# Altium PCB PCB1.PcbDoc (part 3 of 6)
Units mm, origin at the board's own origin, x right, y up, seen from the top; angles counter-clockwise.
Board outline 152.4 x 101.6 mm, 8 copper layers (L1-CU, GND, L3-CU-PWR, L4-CU, L5-CU-GND, L6-CU, L7-CU-GND, L8-CU), stack 1.524 mm thick; 274 components, 255 nets, 1291 pads, 685 vias.
Unrouted connection lines stored in the file: 236.
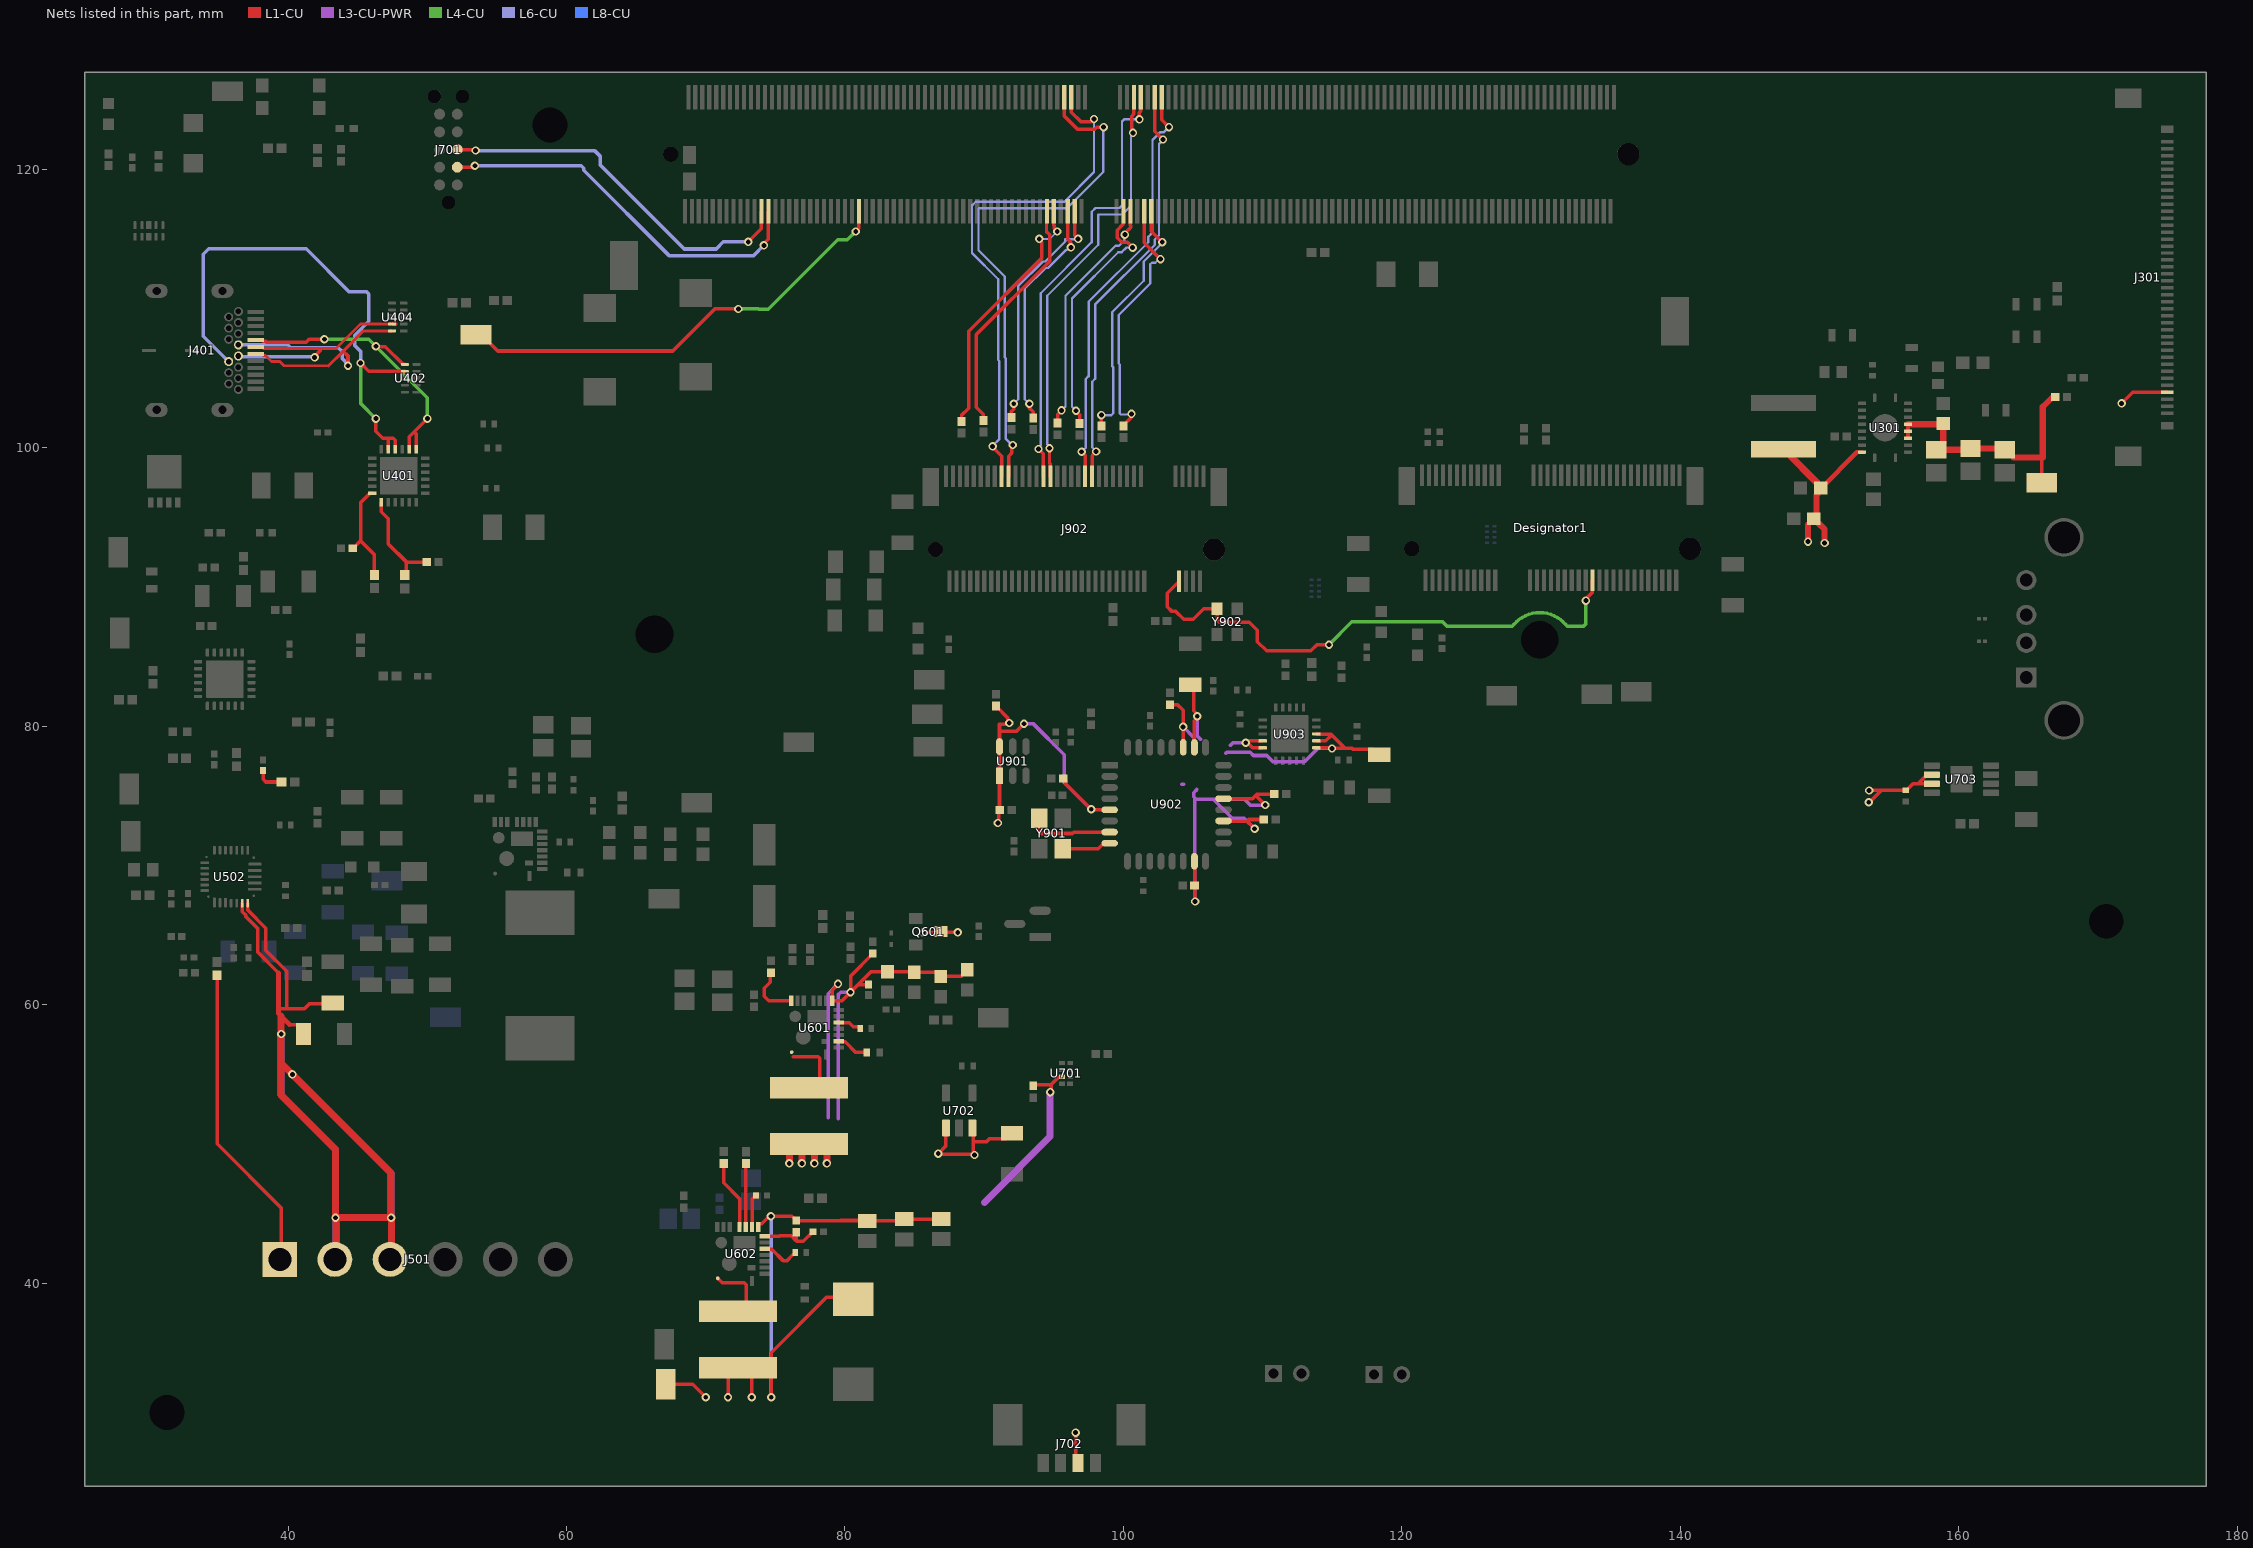
[diagram p9: the nets of this part, all layers, seen from the top]

## Via types
v1: diameter 0.6, hole 0.35, L1-CU to L8-CU, 685 vias

## Nets (pads, with @x,y where several pads share a name; then routed paths per layer and width w, separated by ;. In a path a pad name is that pad's centre, name@x,y a point inside that pad or via, vN(x,y) a via of type N, cw(c..) or ccw(c..) an arc to the next point about the centre after c; other vN are vias at no path point) (continued)
5V_OUT: C301.1 C302.1 C616.1 C618.1 C619.1 C621.1 C707.2 C708.1 C710.1 C901.1 C902.1 C903.1 C905.1 C906.1 C908.1 C909.1 C910.1 C920.1 J702.2 L301.1 L601.2 Q601.3 R609.2 R613.1 U301.9 U601.18 U701.7 U702.1 U702.3 U703.2 U703.3 U901.1 U901.6 U902.5 U902.15 U902.19 U902.21 U902.26 U902.27 U903.4 U903.5 U903.11 U903.12 U903.13 | length 178.6
  L1-CU w0.254: L601.2@76,49.348 76.648,49.996 L601.2@77.412,49.996 ; L601.2@76.9,49.484 L601.2@77.412,49.996 ; L601.2@77.8,49.608 L601.2@77.412,49.996 ; L601.2@78.7,49.348 78.052,49.996 L601.2@77.412,49.996 ; v1(79.5,61.5) 79.5,61.442 79.088,61.029 U601.18@79.088,60.286 79.786,60.286 v1(80.4,60.9) ; R609.2@81.7,61.45 80.95,61.45 ; R613.1@82,63.675 82,63.65 80.4,62.05 v1(80.4,60.9) ; v1(85.6,65.2) 86.82,65.2 Q601.3@86.87,65.25 86.92,65.2 v1(88.1,65.2) ; U702.1@87.25,51.145 87.25,49.85 v1(86.7,49.3) 86.75,49.25 v1@89.25,49.25 ; C621.1@88.792,62.511 88.792,62.488 88.335,62.03 C619.1@86.88,62.03 86.569,62.341 C616.1@84.968,62.341 84.943,62.367 C618.1@83.056,62.367 81.867,62.367 80.95,61.45 ; U702.3@89.15,51.145 89.225,51.07 89.225,50.173 ; v1(89.3,49.2) v1@89.25,49.25 ; C910.1@90.856,81.458 90.856,81.436 91.708,80.584 91.708,80.326 v1(91.796,80.239) 91.708,80.151 91.114,80.151 91.1,80.137 91.1,79.629 ; v1(90.983,73.05) 91.049,73.117 91.049,74.034 91.1,74.085 U901.1@91.1,76.445 U901.6@91.1,78.546 91.1,79.629 ; C708.1@92,50.775 91.602,50.377 90.378,50.377 90.174,50.173 89.225,50.173 ; v1(92.862,80.188) 92.304,79.629 91.1,79.629 ; C707.2@93.548,54.254 94.799,54.254 94.829,54.285 ; v1(94.742,53.721) 94.829,53.808 94.829,54.285 ; U701.7@95.59,54.817 95.562,54.789 95.334,54.789 94.829,54.285 ; C903.1@95.687,76.236 95.709,76.236 95.868,76.077 95.868,75.832 95.897,75.832 v1(97.688,74.041) 97.709,74.02 98.988,74.02 U902.5@99.009,74 ; v1(96.571,29.261) 96.571,27.251 J702.2@96.739,27.083 ; C902.1@103.345,81.552 103.888,81.552 104.292,81.148 v1(104.292,79.959) 104.296,79.955 104.296,78.495 U902.27@104.3,78.491 ; C901.1@104.797,82.988 105.042,82.744 105.042,81.112 105.308,80.845 v1(105.308,80.721) 105.308,80.597 105.1,80.389 U902.26@105.1,78.491 ; U902.15@105.1,70.309 105.115,70.293 105.115,67.452 v1(105.156,67.412) ; U902.19@107.191,73.2 107.215,73.176 108.891,73.176 ; U902.21@107.191,74.8 109.271,74.8 109.437,74.967 ; v1(109.423,72.644) 108.891,73.176 ; U903.5@110.013,78.451 109.277,78.451 108.912,78.816 109.047,78.951 U903.4@110.013,78.951 ; C905.1@110.077,73.307 109.022,73.307 108.891,73.176 ; v1(110.185,74.346) 109.564,74.967 109.437,74.967 ; C906.1@110.846,75.133 109.604,75.133 109.437,74.967 ; U903.11@113.863,78.451 113.87,78.444 114.951,78.444 v1(114.986,78.41) 115.926,78.41 ; U903.12@113.863,78.951 114.537,78.951 114.96,79.375 ; U903.13@113.863,79.451 113.87,79.444 114.891,79.444 114.96,79.375 ; C920.1@118.381,77.95 117.983,78.348 116.483,78.348 116.421,78.41 115.926,78.41 ; C302.1@149.174,94.498 149.244,94.568 149.244,94.591 149.573,94.92 C302.1@149.596,94.92 C302.1@149.619,94.92 ; C302.1@149.784,95.084 C302.1@149.619,94.92 ; C302.1@149.948,94.568 149.948,94.591 C302.1@149.619,94.92 ; C301.1@150.094,97.115 C301.1@150.117,97.115 ; 152.693,99.691 153.054,99.691 U301.9@153.061,99.698 ; v1(153.543,74.549) 153.597,74.549 154.441,75.394 ; v1(153.568,75.387) 153.575,75.394 154.441,75.394 ; C710.1@156.2,75.4 156.194,75.394 154.441,75.394 ; C710.1@156.25,75.4 156.725,75.875 157.2,75.875 ; U703.3@158.075,75.875 157.2,75.875 ; U703.2@158.075,76.525 157.725,76.525 157.2,76 157.2,75.875 ; v1(80.4,60.9) 80.95,61.45 ; 89.225,50.173 89.225,49.275 v1@89.25,49.25 ; 114.96,79.375 115.926,78.41
  L1-CU w0.35: C301.1@150.117,97.115 152.693,99.691
  L1-CU w0.45: v1(149.174,93.269) C302.1@149.174,94.498 ; C302.1@149.784,95.084 149.784,96.62 149.84,96.676 149.84,96.883 150.071,97.115 C301.1@150.094,97.115 ; C302.1@149.948,94.568 150.368,94.148 v1(150.368,93.167)
  L1-CU w0.5: v1(76,48.6) L601.2@76,49.348 ; v1(76.9,48.6) L601.2@76.9,49.484 ; v1(77.8,48.6) L601.2@77.8,49.608 ; v1(78.7,48.6) L601.2@78.7,49.348 ; L301.1@147.416,99.916 150.094,97.238 C301.1@150.094,97.115
  L3-CU-PWR w0.254: 78.8,51.9 78.8,60.8 v1(79.5,61.5) ; 79.5,51.8 79.5,60.7 79.7,60.9 v1(80.4,60.9) ; v1(92.862,80.188) 92.883,80.167 93.543,80.167 95.758,77.953 95.758,75.942 v1@97.7,74 ; 104.191,75.844 104.343,75.844 ; v1(104.292,79.959) 105.105,79.146 105.105,78.486 ; v1(105.156,67.412) 105.131,67.437 105.131,74.854 ; 105.283,75.463 105.054,75.235 105.054,74.93 105.131,74.854 ; v1(105.308,80.721) 105.308,79.299 105.537,79.07 ; 107.366,78.08 107.417,78.13 108.179,78.13 109.118,78.13 109.347,77.902 110.287,77.902 110.744,77.445 113.005,77.445 113.97,78.41 v1(114.986,78.41) ; 107.683,78.626 107.874,78.816 v1(108.788,78.816) ; v1(109.423,72.644) 108.664,73.403 107.828,73.403 106.465,74.766 ; v1(110.185,74.346) 109.121,74.346 108.701,74.766 106.465,74.766 ; 105.131,74.854 105.219,74.766 106.465,74.766
  L3-CU-PWR w0.5: 90.018,45.796 94.742,50.521 v1(94.742,53.721)
5V_PHASE: C607.2 U601.24 | length 4
  L1-CU w0.254: C607.2@74.7,62.3 74.622,62.222 74.622,61.611 74.2,61.189 74.2,60.6 74.514,60.286 U601.24@76.138,60.286
5V_SW: L601.1 U601.5-6-7-8-9 | length 4.5
  L1-CU w0.254: 76.288,56.273 78.082,56.273 78.186,56.168 78.186,54.694 77.538,54.046 L601.1@77.412,54.046
5V_VDD: C606.1 U601.15 | length 1.6
  L1-CU w0.254: U601.15@79.55,58.723 79.573,58.7 80.3,58.7 80.587,58.413 ; 80.687,58.413 81.027,58.413 81.1,58.34 C606.1@81.1,58.3
5V_VDRV: C605.1 U601.12 | length 2.3
  L1-CU w0.254: U601.12@79.55,57.373 79.573,57.35 79.994,57.35 80.014,57.33 80.019,57.33 80.778,56.571 C605.1@81.555,56.571
6V0_EN: R611.2 U602.19 | length 2.4
  L1-CU w0.254: U602.19@73.325,44.037 73.325,46.025 R611.2@73.6,46.3
6V0_FB: R615.1 R616.2 U602.17 | length 4.5
  L1-CU w0.254: U602.17@74.237,43.375 75.288,43.375 75.324,43.41 76.139,43.41 76.483,43.067 ; R615.1@76.492,43.646 76.483,43.638 76.483,43.067 ; R616.2@77.7,43.7 77,43 76.55,43 76.483,43.067
6V0_MODE1: R605.2 U602.21 | length 5
  L1-CU w0.254: R605.2@71.3,48.6 71.3,47.2 72.425,46.075 U602.21@72.425,44.037
6V0_MODE2: R606.2 U602.20 | length 4.6
  L1-CU w0.254: U602.20@72.875,44.037 72.887,44.05 R606.2@72.887,48.587 R606.2@72.9,48.6
6V0_OUT: C625.1 C627.1 C629.1 Designator4.2 Designator5.2 J301.37 R615.2 TP602.1 U602.18 | length 49.7
  L1-CU w0.254: TP602.1@67.11,32.746 69.054,32.746 v1(70,31.8) ; v1(71.6,31.8) 71.6,33.273 72.248,33.921 Designator4.2@72.307,33.921 72.652,33.921 73.3,33.273 v1(73.3,31.8) ; U602.18@73.775,44.037 73.775,44.25 73.798,44.273 74.011,44.273 74.477,44.739 74.61,44.739 v1(74.676,44.806) 76.182,44.806 76.319,44.669 76.344,44.669 76.492,44.521 R615.2@76.492,44.496 76.494,44.498 79.698,44.498 79.7,44.5 81.578,44.5 C625.1@81.604,44.474 84.142,44.474 C627.1@84.258,44.59 86.894,44.59 C629.1@86.912,44.608 ; v1(74.7,31.8) 74.7,33.921 74.7,35 78.7,39 80.441,39 Designator5.2@80.554,38.887 ; v1(171.704,103.2) 172.504,104 J301.37@175,104
  L6-CU w0.254: v1(74.676,44.806) 74.7,44.782 v1(74.7,31.8)
6V0_SW: Designator4.1 U602.5-6-7-8-9 | length 4.4
  L1-CU w0.254: U602.5-6-7-8-9@70.856,40.344 71.175,40.025 72.769,40.025 72.918,39.876 72.918,38.582 Designator4.1@72.307,37.971
6V0_VDD: C615.1 U602.15 | length 2.8
  L1-CU w0.254: U602.15@74.237,42.475 74.26,42.452 74.593,42.452 74.613,42.432 74.747,42.432 75.586,41.593 75.817,41.593 76.293,42.069 76.343,42.069 76.416,42.142 C615.1@76.416,42.192
10V_OUT: C307.1 C308.1 C309.1 J300.1 R305.1 R307.1 U301.14 U301.15 U301.16 | length 20.1
  L1-CU w0.254: U301.14@156.361,100.698 U301.15@156.361,101.198 U301.16@156.361,101.698 ; C307.1@158.394,99.86 C307.1@158.894,100.36 ; R305.1@158.839,101.698 R305.1@158.894,101.752 ; C309.1@160.754,99.86 C309.1@160.851,99.957 ; C308.1@163.218,99.957 C308.1@163.307,99.869 C308.1@163.408,99.869 ; J300.1@165.964,97.485 165.964,99.238 166.04,99.314
  L1-CU w0.4: 166.04,102.946 R307.1@166.756,103.662
  L1-CU w0.45: U301.16@156.361,101.698 R305.1@158.839,101.698 ; C307.1@158.394,99.86 C309.1@160.754,99.86 ; C307.1@158.894,100.36 R305.1@158.894,101.752 ; C309.1@160.851,99.957 C308.1@163.218,99.957 ; C308.1@163.408,99.869 163.962,99.314 166.04,99.314 166.04,102.946
32.7KHZ_OUT: Designator1.50 J902.68 Y902.3 | length 40.1
  L1-CU w0.254: J902.68@104.003,90.421 103.149,89.568 103.149,88.594 103.491,88.252 103.772,88.252 104.343,87.681 105.02,87.681 105.784,88.445 Y902.3@106.726,88.445 106.726,87.626 106.875,87.478 109.042,87.478 109.626,86.893 109.626,86.083 110.29,85.42 113.462,85.42 113.902,85.86 v1(114.768,85.86) ; v1(133.223,89.027) 133.223,89.146 133.685,89.607 133.685,90.461 Designator1.50@133.708,90.484
  L4-CU w0.254: v1(114.768,85.86) 116.411,87.503 122.926,87.503 123.156,87.273 123.231,87.198 127.834,87.198 127.925,87.198 127.995,87.256 ccw(c127.834,87.452) 128.028,87.288 cw(c129.908,85.707) 131.788,87.288 ccw(c131.982,87.452) 131.82,87.256 131.891,87.198 131.982,87.198 133.074,87.198 133.149,87.273 133.223,87.347 v1(133.223,89.027)
+5: 
ADDR0: R404.1 R410.1 U401.12 | length 7.5
  L1-CU w0.254: R410.1@44.65,92.8 44.675,92.8 45.2,93.325 ; U401.12@46.05,96.75 45.879,96.75 45.2,96.071 45.2,93.325 ; R404.1@46.2,90.879 46.2,92.325 45.2,93.325
ADDR1: R407.1 R411.1 U401.13 | length 7.5
  L1-CU w0.254: U401.13@46.7,96.1 46.7,95.4 47.2,94.9 47.2,93.1 48.5,91.8 ; R407.1@48.385,90.868 48.5,90.983 48.5,91.8 ; R411.1@49.95,91.8 48.5,91.8
AUDIO_XTI: U902.8 Y901.1 | length 3.5
  L1-CU w0.254: Y901.1@95.65,71.2 98.195,71.2 98.595,71.6 U902.8@99.009,71.6
AUDIO_XTO: U902.7 Y901.3 | length 6.1
  L1-CU w0.254: Y901.3@93.95,73.4 94,73.35 94,72.449 94.149,72.3 96.322,72.3 96.422,72.4 U902.7@99.009,72.4
BAT: C516.1 C517.1 J501.2 J501.3 U502.22 U502.23 | length 102
  L1-CU w0.254: U502.22@36.7,67.3 36.7,66.686 36.968,66.418 36.968,66.332 37.8,65.5 37.8,63.8 39.3,62.3 ; U502.23@37.1,67.3 37.1,66.8 38.4,65.5 38.4,63.9 39.9,62.4 39.9,59.7 ; 39.3,59.374 39.5,59.174 ; 39.3,59.7 39.9,59.7 ; 39.5,55.7 39.6,55.7 ; 40.101,58.573 40.702,58.573 41.1,58.175 C516.1@41.1,57.9 ; C517.1@43.2,60.125 43.138,60.063 41.535,60.063 41.171,59.7 39.9,59.7 ; J501.2@43.43,41.93 J501.2@43.46,41.9 ; J501.3@47.41,41.91 J501.3@47.42,41.9
  L1-CU w0.35: 39.3,59.374 39.3,59.7 39.3,62.3 ; 39.5,59.174 40.101,58.573
  L1-CU w0.5: 39.5,59.174 v1(39.5,57.9) 39.5,55.7 39.5,53.5 43.4,49.6 v1(43.4,44.7) v1(47.4,44.7) 47.4,47.9 v1(40.3,55) 39.6,55.7 ; J501.2@43.43,41.93 v1@43.43,44.67 ; J501.3@47.41,41.91 v1@47.41,44.69
  L8-CU w0.254: J501.2@43.43,41.93 J501.2@43.46,41.9 ; J501.3@47.41,41.91 J501.3@47.42,41.9
  L8-CU w0.5: v1(39.5,57.9) 39.5,53.5 43.4,49.6 v1(43.4,44.7) v1(47.4,44.7) 47.4,47.9 v1(40.3,55) ; J501.2@43.43,41.93 v1@43.43,44.67 ; J501.3@47.41,41.91 v1@47.41,44.69
BATP: J501.1 R521.2 | length 22.1
  L1-CU w0.254: R521.2@34.897,62.122 34.898,62.121 34.898,50.002 39.5,45.4 J501.1@39.5,41.9
C_PCIE0_RX0_N: J902.41 pad.131 | length 30.3
  L1-CU w0.249: v1(97.003,99.72) 97.253,99.47 J902.41@97.253,97.971 ; pad.131@102.75,125.2 102.75,123.564 v1(103.276,123.038)
  L6-CU w0.167: v1(97.003,99.72) 97.29,100.007 97.29,104.943 97.501,105.154 97.501,110.499 101.78,114.778 101.78,115.156 102.09,115.466 102.09,122.121 102.632,122.662 102.873,122.662 103.248,123.038 v1(103.276,123.038)
C_PCIE0_RX0_P: J902.43 pad.133 | length 29.8
  L1-CU w0.249: J902.43@97.753,97.971 97.753,99.454 v1(98.044,99.746) ; pad.133@102.25,125.2 102.25,122.743 v1(102.845,122.149)
  L6-CU w0.167: v1(98.044,99.746) 97.757,100.033 97.757,104.75 97.968,104.96 97.968,110.305 102.247,114.584 102.247,114.962 102.557,115.273 102.557,121.834 102.845,122.121 v1(102.845,122.149)
C_PCIE0_RX1_N: J902.29 pad.137 | length 32.1
  L1-CU w0.249: v1(93.904,99.924) 94.253,99.575 J902.29@94.253,97.971 ; v1(101.143,123.596) 101.143,124.093 101.25,124.201 pad.137@101.25,125.2
  L6-CU w0.167: v1(93.904,99.924) 93.904,100.041 94.064,100.201 94.064,111.115 97.729,114.781 97.729,116.957 98.003,117.231 99.724,117.231 99.898,117.405 99.898,123.444 100.051,123.596 v1(101.143,123.596)
C_PCIE0_RX1_P: J902.31 pad.139 | length 31
  L1-CU w0.249: v1(94.691,99.974) 94.691,98.932 94.753,98.87 J902.31@94.753,97.971 ; v1(100.686,122.631) 100.588,122.728 100.588,123.826 100.75,123.988 pad.139@100.75,125.2
  L6-CU w0.167: v1(94.691,99.974) 94.691,100.092 94.531,100.252 94.531,110.922 98.196,114.587 98.196,116.764 99.918,116.764 100.543,117.389 100.543,122.372 100.686,122.514 v1(100.686,122.631)
C_PCIE0_RX2_N: J902.17 pad.149 | length 37.4
  L1-CU w0.249: v1(90.607,100.107) 90.607,100.051 91.253,99.405 J902.17@91.253,97.971 ; pad.149@96.25,125.2 96.25,124.12 96.926,123.444 97.714,123.444 v1(97.892,123.622)
  L6-CU w0.167: v1(90.607,100.107) 90.607,100.158 91.092,100.642 91.092,106.229 91.003,106.318 91.003,112.121 89.119,114.005 89.119,117.415 89.392,117.688 95.758,117.688 97.892,119.822 v1(97.892,123.622)
C_PCIE0_RX2_P: J902.19 pad.151 | length 38.3
  L1-CU w0.249: J902.19@91.753,97.971 91.753,99.405 91.982,99.635 91.982,100.136 v1(92.05,100.203) ; pad.151@95.75,125.2 95.75,123.844 96.699,122.895 97.941,122.895 98.084,123.038 v1(98.577,123.038)
  L6-CU w0.167: v1(92.05,100.203) 91.999,100.203 91.559,100.642 91.559,106.422 91.47,106.511 91.47,112.314 89.586,114.199 89.586,117.221 95.952,117.221 98.546,119.815 98.546,123.006 v1(98.577,123.038)
C_PCIE0_TX0_N: C107.1 pad.134 | length 18
  L1-CU w0.249: C107.1@98.418,101.585 v1@98.418,102.353 ; pad.134@102,117 102,115.576 v1(102.794,114.783)
  L6-CU w0.167: v1(98.418,102.353) 99.126,102.353 99.268,102.495 99.268,105.797 99.191,105.873 99.191,109.74 101.463,112.012 101.463,113.38 102.794,114.711 v1(102.794,114.783)
C_PCIE0_TX0_P: C106.1 pad.136 | length 18.5
  L1-CU w0.249: C106.1@99.991,101.585 99.991,101.618 100.518,102.145 100.518,102.373 v1(100.585,102.44) ; pad.136@101.5,117 101.5,114.73 v1(102.667,113.563)
  L6-CU w0.167: v1(100.585,102.44) 100.541,102.397 99.833,102.397 99.735,102.495 99.735,105.99 99.658,106.067 99.658,109.547 101.93,111.818 101.93,113.186 102.048,113.305 102.291,113.305 102.55,113.563 v1(102.667,113.563)
C_PCIE0_TX1_N: C109.1 pad.140 | length 17.6
  L1-CU w0.249: v1(100.101,115.316) 100.101,115.411 100.524,115.834 100.524,115.976 100.5,116.001 pad.140@100.5,117
  L1-CU w0.254: C109.1@95.274,101.779 95.3,101.805 95.3,102.407 95.555,102.662 v1(95.555,102.692)
  L6-CU w0.167: v1(95.555,102.692) 95.842,102.979 95.842,110.93 96.116,111.204 99.434,114.522 99.68,114.522 100.065,114.908 100.065,115.28 v1(100.101,115.316)
C_PCIE0_TX1_P: C108.1 pad.142 | length 18.6
  L1-CU w0.249: pad.142@100,117 100,116.086 99.547,115.633 99.547,115.086 99.872,114.762 100.291,114.762 v1(100.664,114.388)
  L1-CU w0.254: v1(96.596,102.667) 96.596,102.633 96.848,102.381 96.848,101.749 C108.1@96.846,101.746
  L6-CU w0.167: v1(96.596,102.667) 96.309,102.954 96.309,110.736 99.628,114.055 99.873,114.055 100.213,114.395 100.657,114.395 v1(100.664,114.388)
C_PCIE0_TX2_N: C111.1 pad.148 | length 17.6
  L1-CU w0.249: C111.1@91.95,102.17 91.95,102.614 92.126,102.79 v1(92.126,103.175) ; pad.148@96.5,117 96.5,115.26 v1(96.749,115.011)
  L6-CU w0.167: v1(92.126,103.175) 92.451,103.5 92.451,111.623 94.216,113.389 94.388,113.389 95.823,114.824 95.823,114.996 96.733,114.996 v1(96.749,115.011)
C_PCIE0_TX2_P: C110.1 pad.150 | length 16.8
  L1-CU w0.249: v1(93.243,103.175) 93.243,102.867 93.523,102.588 C110.1@93.523,102.144 ; pad.150@96,117 96,114.976 96.225,114.751 v1(96.225,114.404)
  L6-CU w0.167: v1(93.243,103.175) 92.918,103.5 92.918,111.43 94.41,112.922 94.582,112.922 95.88,114.22 95.924,114.22 96.108,114.404 v1(96.225,114.404)
C_PCIE0_TX3_N: C113.1 pad.154 | length 18.6
  L1-CU w0.249: C113.1@88.369,101.891 88.369,102.335 88.881,102.846 88.881,108.373 94.15,113.643 94.15,114.721 93.955,114.916 v1(93.955,115.011) ; pad.154@95,117 95,116.001 95.024,115.976 95.024,115.77 v1(95.25,115.545)
  L6-CU w0.12: v1(93.955,115.011) 94.717,115.011 95.183,115.478 v1@95.183,115.545
C_PCIE0_TX3_P: C112.1 pad.156 | length 17.5
  L1-CU w0.249: C112.1@89.941,101.962 89.941,102.406 89.43,102.918 89.43,108.146 94.699,113.415 94.699,115.312 94.474,115.536 94.474,116.974 pad.156@94.5,117
CC: J401.A5 U401.1 U401.2 U402.1 | length 22.4
  L1-CU w0.254: J401.A5@37.68,107.75 38.13,107.75 38.223,107.657 38.386,107.657 38.443,107.6 41.3,107.6 41.5,107.8 v1(42.6,107.8) ; v1(46.3,107.3) 46.327,107.273 46.981,107.273 48.254,106 U402.1@48.382,106 ; U401.2@48.7,99.9 48.7,100.8 49.05,101.15 ; U401.1@49.2,99.9 49.2,101 49.05,101.15 ; v1(50,102.1) 49.05,101.15
  L4-CU w0.254: v1(42.6,107.8) 45.8,107.8 v1(46.3,107.3) 50,103.6 v1(50,102.1)
CC2: J401.B5 U401.4 U401.5 U402.2 | length 39.3
  L1-CU w0.254: v1(45.2,106.1) 45.8,105.5 U402.2@48.382,105.5 ; v1(46.3,102.1) 46.3,101.2 46.8,100.7 47.176,100.7 ; U401.5@47.2,99.9 47.2,100.676 47.176,100.7 ; U401.4@47.7,99.9 47.7,100.551 47.551,100.7 47.176,100.7
  L4-CU w0.254: v1(45.2,106.1) 45.2,103.2 v1(46.3,102.1)
  L6-CU w0.254: J401.B5@35.73,106.2 33.9,108.03 33.9,113.9 34.3,114.3 41.3,114.3 44.4,111.2 45.651,111.2 45.8,111.051 45.8,109.1 44.8,108.1 44.8,107.347 45.2,106.947 v1(45.2,106.1)
CLK_32_OUT: J202.1 pad.210 | length 32.9
  L1-CU w0.254: J202.1@53.492,108.128 53.892,108.128 55.061,106.959 67.633,106.959 70.655,109.982 v1(72.339,109.982) ; v1(80.772,115.545) 81,115.773 pad.210@81,117
  L4-CU w0.254: v1(72.339,109.982) 72.368,110.01 73.736,110.01 73.79,109.957 74.498,109.957 78.486,113.944 78.486,113.947 79.481,114.942 80.169,114.942 v1(80.772,115.545)
DEBUG_RXD_1V8: J701.3 pad.238 | length 27
  L1-CU w0.254: J701.3@52.149,121.432 53.396,121.432 v1(53.467,121.361) ; v1(73.05,114.8) 73.994,115.744 73.994,116.994 pad.238@74,117
  L6-CU w0.254: v1(53.467,121.361) 62.001,121.361 62.433,120.929 62.433,120.3 68.446,114.287 70.754,114.287 71.266,114.8 v1(73.05,114.8)
DEBUG_TXD_1V8: J701.2 pad.236 | length 27.7
  L1-CU w0.254: J701.2@52.149,120.162 53.186,120.162 53.292,120.269 v1(53.416,120.269) ; v1(74.175,114.55) 74.175,114.674 74.5,114.999 pad.236@74.5,117
  L6-CU w0.254: v1(53.416,120.269) 61.065,120.269 61.239,120.095 61.239,119.939 67.361,113.817 73.442,113.817 v1(74.175,114.55)
DN1: J401.A7 J401.B7 U404.5 | length 21.2
  L1-CU w0.2: J401.A7@37.68,106.75 38.13,106.75 38.25,106.63 38.375,106.63 38.805,106.2 39.4,106.2 39.7,105.9 42.9,105.9
  L1-CU w0.22: 42.9,105.9 43.95,106.95 45.4,108.4 U404.5@47.465,108.4
  L1-CU w0.254: 43.95,106.95 44.3,106.6 v1(44.3,105.9)
  L6-CU w0.254: J401.B7@36.43,107.4 39.969,107.4 40.169,107.2 43.6,107.2 43.875,106.925 43.875,106.419 44.3,105.994 v1(44.3,105.9)
DP1: J401.A6 J401.B6 U404.4 | length 17.1
  L1-CU w0.18: 43.43,107.13 45.2,108.9
  L1-CU w0.2: J401.A6@37.68,107.25 37.73,107.2 38.18,107.2 38.25,107.13 42.3,107.13 43.43,107.13 ; 45.2,108.9 U404.4@47.465,108.9
  L1-CU w0.254: v1(41.9,106.5) 41.9,106.594 42.3,106.994 42.3,107.13 ; U404.4@47.465,108.9 U404.4@47.734,108.9
  L6-CU w0.254: J401.B6@36.43,106.6 36.48,106.55 41.85,106.55 v1(41.9,106.5)
FLT#: R508.2 R510.1 | length 2
  L1-CU w0.254: R510.1@38.2,76.825 38.2,76.2 38.4,76 R508.2@39.525,76